# Altium PCB HTBLEBMSALL24S100A_PCB_V0.2_260323.pcbdoc (part 3 of 7) (continued)
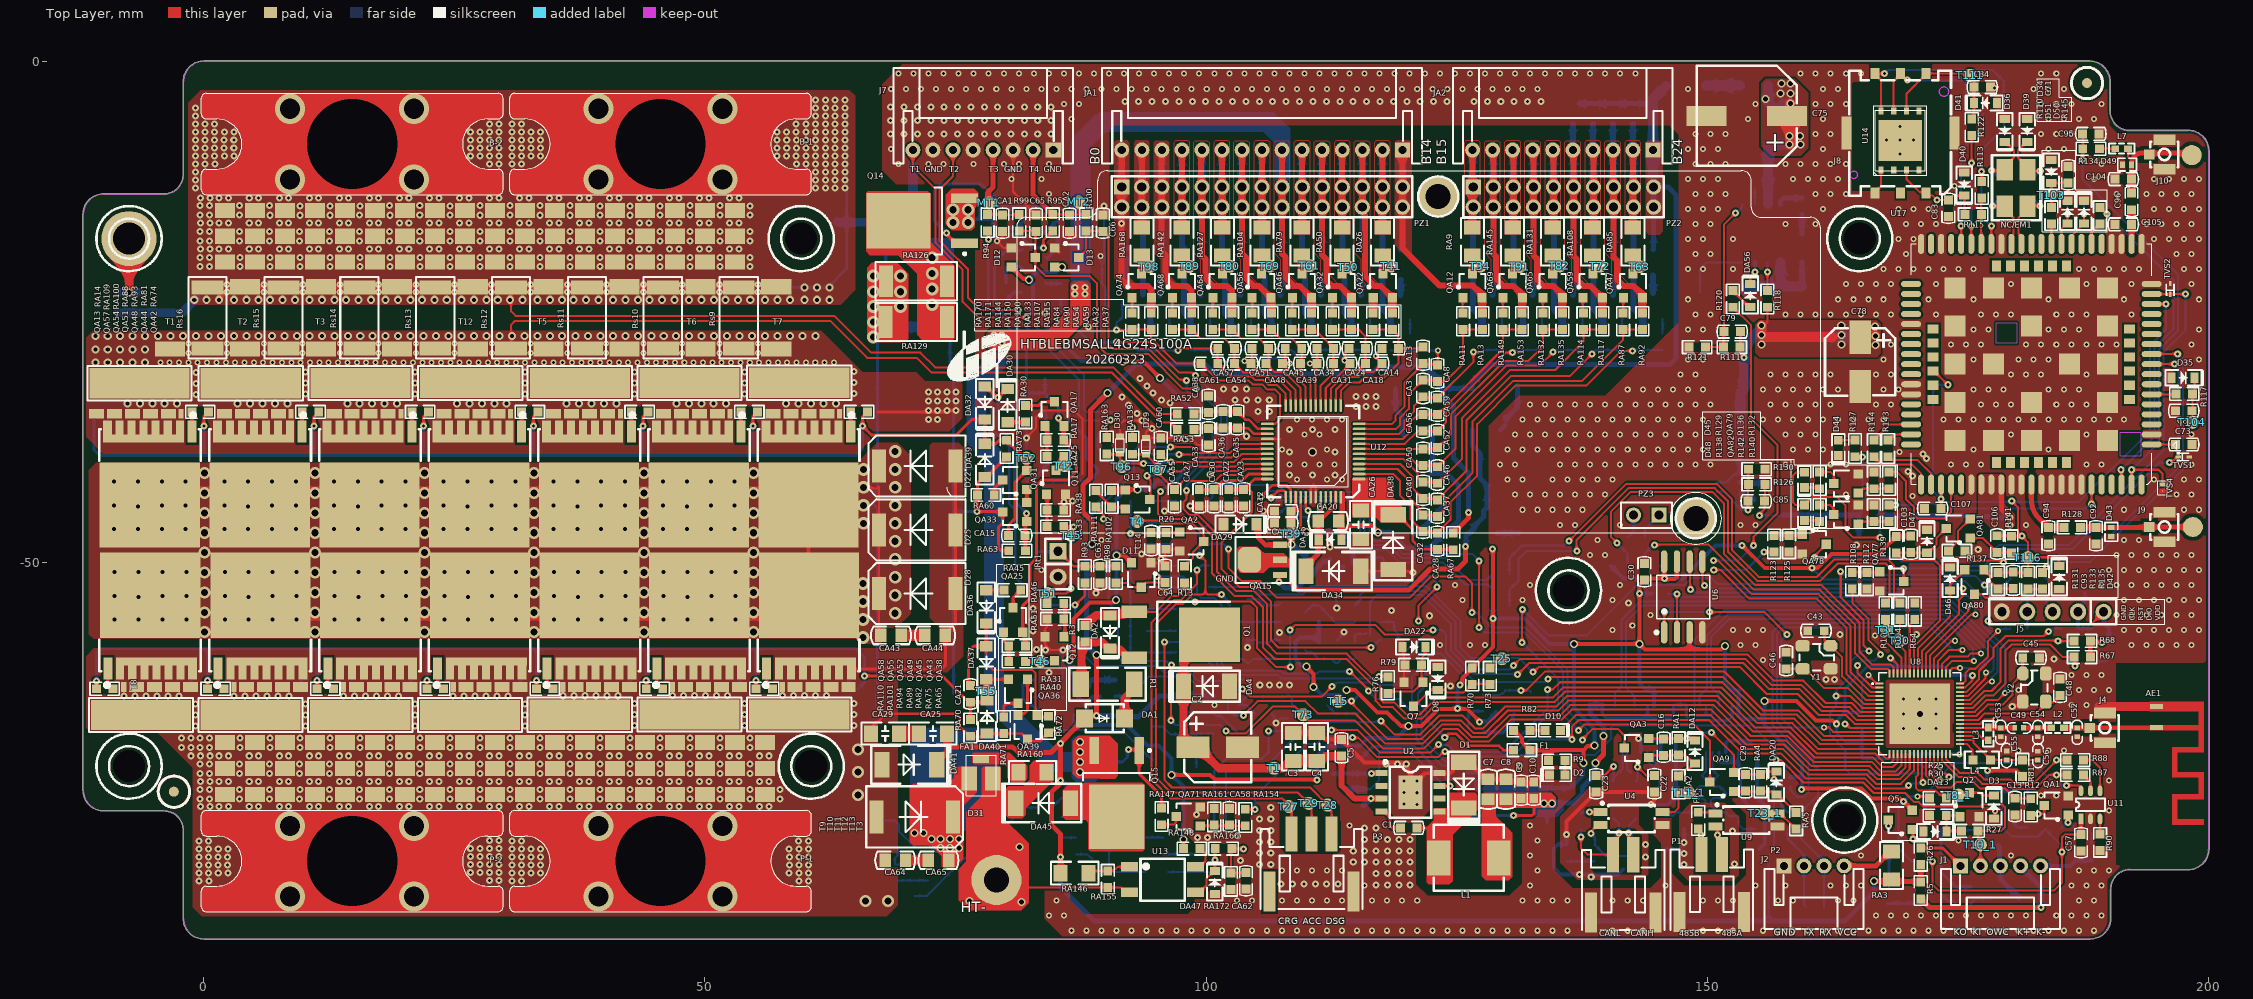
[diagram p0: Top Layer view]
## Nets (pads, with @x,y where several pads share a name; then routed paths per layer and width w, separated by ;. In a path a pad name is that pad's centre, name@x,y a point inside that pad or via, vN(x,y) a via of type N, cw(c..) or ccw(c..) an arc to the next point about the centre after c; other vN are vias at no path point) (continued)
  other v3: -0.951,-23.77 0.29,-23.77 1.531,-23.77 2.997,-23.77 4.238,-23.77 5.479,-23.77 6.619,-23.77 7.859,-23.77 9.1,-23.77 10.567,-23.77 11.808,-23.77 13.049,-23.77 14.188,-23.77 15.429,-23.77 16.67,-23.77 18.137,-23.77 19.377,-23.77 20.618,-23.77 21.758,-23.77 22.998,-23.77 24.239,-23.77 25.706,-23.77 26.947,-23.77 28.188,-23.77 29.327,-23.77 30.568,-23.77 31.809,-23.77 33.276,-23.77 34.516,-23.77 35.757,-23.77 36.897,-23.77 38.138,-23.77 39.378,-23.77 40.845,-23.77 42.086,-23.77 43.327,-23.77 44.466,-23.77 45.707,-23.77 46.948,-23.77 48.415,-23.77 49.656,-23.77 50.896,-23.77 52.036,-23.77 53.277,-23.77 54.517,-23.77 55.984,-23.77 57.225,-23.77 58.466,-23.77 59.933,-23.77 61.174,-23.77 62.414,-23.77 59.933,-22.529 61.174,-22.529 62.414,-22.529
  other v7: 8.611,-11.755 20.981,-11.755 39.359,-11.755 51.729,-11.755 8.611,-4.715 20.981,-4.715 39.359,-4.715 51.729,-4.715
BOOT: R64.1 U8.59 | length 5.6
  Top Layer w0.2: U8.59@170.194,-61.077 170.194,-56.183 R64.1@170.696,-55.682
C0: CA61.1 CA63.2 DA53.2 RA170.2 RA171.2 U12.25 | length 26.6
  Top Layer w0.2: v1(91.05,-26.799) 92.559,-26.799 RA170.2@92.619,-26.739 RA171.2@94.521,-26.739 94.521,-27.6 97.062,-30.141 CA61.1@99.506,-30.141 101.195,-31.83 104.248,-31.83 104.636,-32.217 105.575,-32.217 106.1,-32.742 106.892,-32.742 107.36,-33.209 107.36,-35.688 106.904,-36.143 U12.25@106.12,-36.143
  Bottom Layer w0.2: v1(91.05,-26.799) 91.05,-26.089 91.482,-25.657 91.504,-25.657 91.63,-25.531 CA63.2@91.631,-23.829
C1: CA57.1 CA61.2 DA51.2 RA158.2 RA164.2 U12.24 | length 20.9
  Top Layer w0.2: v1(97.18,-28.839) 97.316,-28.839 97.538,-28.617 CA57.1@101.157,-28.617 CA61.2@101.157,-30.141 102.442,-31.426 104.528,-31.426 104.888,-31.786 105.721,-31.786 106.229,-32.294 107.078,-32.294 107.932,-33.149 U12.24@107.932,-34.332
  Bottom Layer w0.2: DA51.2@92.672,-26.929 92.672,-28.341 93.17,-28.839 94.454,-28.839 96.354,-28.839 v1(97.18,-28.839)
C2: CA54.1 CA57.2 RA144.2 RA150.2 U12.23 | length 16.6
  Top Layer w0.2: RA144.2@96.652,-26.739 RA150.2@98.562,-26.739 99.482,-27.659 101.851,-27.659 CA57.2@102.808,-28.617 CA54.1@102.808,-30.141 103.684,-31.017 104.708,-31.017 105.069,-31.378 105.912,-31.378 106.389,-31.855 107.357,-31.855 108.432,-32.93 U12.23@108.432,-34.332
C3: CA51.1 CA54.2 RA136.2 RA140.2 U12.22 | length 15.3
  Top Layer w0.2: v2(103.85,-29.87) 104.188,-29.87 CA54.2@104.459,-30.141 ; CA51.1@104.586,-28.617 104.586,-30.014 CA54.2@104.459,-30.141 ; U12.22@108.932,-34.332 108.932,-32.81 107.535,-31.413 106.57,-31.413 106.123,-30.966 105.284,-30.966 CA54.2@104.459,-30.141
  Bottom Layer w0.2: RA140.2@98.407,-28.772 RA136.2@100.291,-28.772 101.39,-29.87 v2(103.85,-29.87)
C4: CA48.1 CA51.2 RA130.2 RA133.2 U12.21 | length 14.2
  Top Layer w0.2: RA130.2@100.655,-26.739 RA133.2@102.586,-26.739 103.506,-27.659 105.28,-27.659 CA51.2@106.237,-28.617 106.237,-29.887 CA48.1@105.983,-30.141 106.808,-30.966 107.809,-30.966 109.432,-32.589 U12.21@109.432,-34.332
C5: CA45.1 CA48.2 RA119.2 RA124.2 U12.20 | length 14
  Top Layer w0.2: CA45.1@107.888,-28.617 107.888,-29.887 CA48.2@107.634,-30.141 ; v2(108.36,-30.119) 107.655,-30.119 CA48.2@107.634,-30.141 ; U12.20@109.932,-34.332 109.932,-32.439 CA48.2@107.634,-30.141
  Bottom Layer w0.2: RA124.2@102.473,-28.772 104.413,-28.772 105.274,-29.633 107.874,-29.633 v2(108.36,-30.119)
C6: CA39.1 CA45.2 RA107.2 RA115.2 U12.19 | length 11.9
  Top Layer w0.2: RA107.2@104.592,-26.739 RA115.2@106.505,-26.739 107.425,-27.659 108.582,-27.659 CA45.2@109.539,-28.617 109.539,-30.014 CA39.1@109.412,-30.141 109.412,-31.085 110.432,-32.105 U12.19@110.432,-34.332
C7: CA34.1 CA39.2 RA95.2 RA99.2 U12.18 | length 10.1
  Top Layer w0.2: U12.18@110.932,-34.332 110.932,-30.272 CA39.2@111.063,-30.141 CA34.1@111.063,-28.617
  Bottom Layer w0.2: RA99.2@106.552,-28.772 108.483,-28.772 109.84,-30.129 v2(110.37,-30.129)
C8: CA31.1 CA34.2 RA84.2 RA90.2 U12.17 | length 11.1
  Top Layer w0.2: RA84.2@108.59,-26.739 110.837,-26.739 CA34.2@112.714,-28.617 CA31.1@112.714,-30.141 112.714,-31.042 111.432,-32.324 U12.17@111.432,-33.838
  Top Layer w0.254: U12.17@111.432,-34.332 U12.17@111.432,-33.838
C9: CA24.1 CA31.2 RA68.2 RA78.2 U12.16 | length 10.9
  Top Layer w0.2: U12.16@111.932,-34.332 111.932,-32.574 CA31.2@114.365,-30.141 113.81,-29.586 113.81,-29.044 CA24.1@114.238,-28.617
  Bottom Layer w0.2: RA78.2@110.505,-28.772 RA68.2@112.43,-28.772 112.774,-29.116 113.117,-29.116 v9(113.81,-29.809)
C10: CA18.1 CA24.2 RA54.2 RA59.2 U12.15 | length 12.5
  Top Layer w0.2: U12.15@112.432,-34.332 112.432,-32.65 114.04,-31.042 114.987,-31.042 CA18.1@115.889,-30.141 115.889,-27.408 115.22,-26.739 RA59.2@114.509,-26.739 RA54.2@112.609,-26.739
C11: CA14.1 CA18.2 RA44.2 RA47.2 U12.14 | length 12.5
  Top Layer w0.2: U12.14@112.932,-34.332 112.932,-32.775 114.241,-31.466 115.226,-31.466 115.704,-30.989 116.692,-30.989 CA18.2@117.568,-30.113 ; CA14.1@117.223,-28.272 CA14.1@117.568,-28.617 ; CA18.2@117.54,-30.141 117.036,-29.637 117.036,-29.475 v2(116.94,-29.379) 117.036,-29.284 117.036,-29.12 CA14.1@117.54,-28.617
  Bottom Layer w0.2: RA47.2@114.485,-28.772 RA44.2@116.367,-28.772 116.94,-29.345 v2(116.94,-29.379)
C12: CA13.1 CA14.2 RA32.2 RA37.2 U12.13 | length 16.4
  Top Layer w0.2: U12.13@113.432,-34.332 113.432,-32.859 114.268,-32.023 115.297,-32.023 115.795,-31.525 117.774,-31.525 119.191,-30.108 CA14.2@119.191,-28.617 ; RA32.2@116.66,-26.739 RA37.2@118.573,-26.739 118.917,-27.084 118.917,-27.086 119.191,-27.36 CA14.2@119.191,-28.617 ; CA13.1@121.629,-28.49 121.502,-28.617 CA14.2@119.191,-28.617
C13: CA8.1 CA13.2 RA19.2 RA22.2 U12.12 | length 18
  Top Layer w0.2: U12.12@115.254,-36.154 118.545,-36.154 118.866,-35.833 118.866,-35.342 119.811,-34.398 119.811,-32.018 121.285,-30.543 121.285,-30.485 121.571,-30.199 122.943,-30.199 123.11,-30.031 v2(123.11,-28.849)
  Bottom Layer w0.2: RA22.2@118.411,-28.772 118.448,-28.809 120.343,-28.809 120.383,-28.849 v2(123.11,-28.849)
C14: CA3.1 CA8.2 RA11.2 RA13.2 U12.11 | length 19.6
  Top Layer w0.2: U12.11@115.254,-36.654 118.949,-36.654 119.346,-36.257 119.346,-35.536 120.232,-34.649 120.232,-33.189 CA3.1@121.629,-31.792 122.747,-31.792 CA8.2@122.874,-31.919 ; CA8.2@123.077,-31.919 123.881,-31.919 125.638,-30.162 RA11.2@125.638,-26.739 ; RA11.2@125.638,-26.725 RA13.2@127.55,-26.725
C15: CA3.2 CA59.1 RA7.2 RA162.2 U12.10 | length 19.1
  Top Layer w0.2: U12.10@115.254,-37.154 119.26,-37.154 119.768,-36.645 119.768,-35.858 120.74,-34.885 120.74,-34.332 CA3.2@121.629,-33.443 ; CA3.2@121.629,-33.57 CA59.1@123.077,-33.57 126.664,-29.983 v1(126.664,-28.992)
  Bottom Layer w0.2: v1(126.664,-28.992) 127.411,-28.992 RA7.2@127.631,-28.772 RA162.2@129.496,-28.772
C16: CA56.1 CA59.2 RA149.2 RA153.2 U12.9 | length 22.5
  Top Layer w0.2: U12.9@115.254,-37.654 119.638,-37.654 120.225,-37.067 120.225,-36.092 121.096,-35.221 CA56.1@121.629,-35.221 CA59.2@122.874,-35.221 ; CA59.2@122.874,-35.127 CA59.2@123.077,-35.127 ; CA59.2@123.077,-35.221 129.613,-28.685 RA149.2@129.613,-26.739 129.613,-26.725 RA153.2@131.515,-26.725
C17: CA52.1 CA56.2 RA138.2 RA143.2 U12.8 | length 22.8
  Top Layer w0.2: U12.8@115.254,-38.154 119.814,-38.154 121.096,-36.872 CA52.1@123.077,-36.872 123.94,-36.009 123.94,-34.98 129.875,-29.045 v1(130.558,-29.045)
  Bottom Layer w0.2: v1(130.558,-29.045) 130.633,-29.045 130.906,-28.772 RA143.2@131.609,-28.772 RA138.2@133.524,-28.772
C18: CA50.1 CA52.2 RA132.2 RA135.2 U12.7 | length 27.1
  Top Layer w0.2: U12.7@115.254,-38.654 121.092,-38.654 121.096,-38.65 CA52.2@122.874,-38.65 ; CA52.2@123.077,-38.523 124.45,-37.149 124.45,-35.159 129.73,-29.879 132.121,-29.879 133.611,-28.389 RA132.2@133.611,-26.739 ; RA132.2@133.611,-26.725 RA135.2@135.536,-26.725
C19: CA46.1 CA50.2 RA123.2 RA128.2 U12.6 | length 29.2
  Top Layer w0.2: U12.6@115.254,-39.154 119.949,-39.154 121.096,-40.301 CA46.1@122.874,-40.301 ; CA46.1@123.077,-40.428 124.87,-38.634 124.87,-35.429 129.98,-30.319 133.294,-30.319 v1(134.622,-28.992)
  Bottom Layer w0.2: v1(134.622,-28.992) 134.757,-28.992 134.977,-28.772 RA128.2@135.589,-28.772 RA123.2@137.487,-28.772
C20: CA40.1 CA46.2 RA114.2 RA117.2 U12.5 | length 34.7
  Top Layer w0.2: U12.5@115.254,-39.654 119.662,-39.654 121.096,-41.088 121.096,-41.49 121.213,-41.607 121.285,-41.607 CA40.1@121.629,-41.952 CA46.2@122.874,-41.952 ; CA46.2@123.077,-42.079 125.533,-39.622 125.533,-35.556 130.29,-30.799 134.8,-30.799 137.631,-27.968 RA114.2@137.631,-26.739 ; RA114.2@137.631,-26.725 RA117.2@139.536,-26.725
C21: CA37.1 CA40.2 RA98.2 RA105.2 U12.4 | length 37.3
  Top Layer w0.2: U12.4@115.254,-40.154 119.344,-40.154 120.572,-41.382 120.572,-42.545 121.285,-43.258 CA40.2@121.629,-43.603 CA37.1@122.874,-43.603 ; CA37.1@123.077,-43.73 125.972,-40.835 125.972,-35.808 130.42,-31.359 136.31,-31.359 v1(138.498,-29.172)
  Bottom Layer w0.2: v1(138.498,-29.172) 138.898,-28.772 RA105.2@139.585,-28.772 RA98.2@141.477,-28.772
C22: CA32.1 CA37.2 RA87.2 RA92.2 U12.3 | length 43.1
  Top Layer w0.2: U12.3@115.254,-40.654 119.092,-40.654 120.092,-41.653 120.092,-43.39 121.285,-44.583 121.285,-44.909 CA32.1@121.629,-45.254 122.874,-45.254 CA37.2@122.937,-45.317 ; CA37.2@123.077,-45.381 123.914,-44.543 123.914,-43.721 126.56,-41.075 126.56,-35.939 130.63,-31.869 137.518,-31.869 141.606,-27.781 RA87.2@141.606,-26.739 ; RA87.2@141.606,-26.725 RA92.2@143.517,-26.725
C23: CA28.1 CA32.2 RA77.2 RA80.2 U12.2 | length 45.7
  Top Layer w0.2: U12.2@115.254,-41.154 118.665,-41.154 119.315,-41.804 119.315,-43.262 120.41,-44.356 120.41,-45.685 121.285,-46.56 CA32.2@121.629,-46.905 CA28.1@122.874,-46.905 ; CA28.1@123.077,-47.032 124.372,-45.737 124.372,-43.992 127.04,-41.323 127.04,-36.169 130.89,-32.319 137.96,-32.319 141.416,-28.864 v1(142.555,-28.864)
  Bottom Layer w0.2: v1(142.555,-28.864) 142.647,-28.772 RA80.2@143.552,-28.772 RA77.2@145.536,-28.772
C24: CA26.2 CA28.2 DA38.2 RA67.2 U12.1 | length 15
  Top Layer w0.2: RA67.2@124.627,-48.683 RA67.2@124.652,-48.708
  Top Layer w0.25: CA26.2@115.226,-45.228 DA38.2@118.658,-45.228 119.166,-45.228 120.607,-46.67 120.607,-47.807 121.483,-48.683 CA28.2@123.077,-48.683 RA67.2@124.627,-48.683 ; U12.1@115.254,-41.654 115.254,-43.476 115.432,-43.653 CA26.2@115.432,-45
CAN_WK: DA9.1 QA3.3 T7_1.1 | length 59.7
  Top Layer w0.2: v1(102.224,-48.632) 102.224,-50.511 103.545,-51.832 105.399,-51.832 107.05,-53.483 120.332,-53.483 122.414,-51.401 125.883,-51.401 126.51,-52.029 v1(126.51,-54.989) ; v1(137.54,-67.669) 137.54,-67.614 138.575,-66.58 141.051,-66.58 141.734,-67.263 QA3.3@141.734,-68.502
  Bottom Layer w0.2: DA9.1@100.293,-48.116 100.301,-48.124 101.716,-48.124 v1(102.224,-48.632) ; v1(126.51,-54.989) 126.535,-55.014 127.005,-55.014 128.471,-56.48 131.86,-56.48 136.03,-60.65 136.03,-64.709 138,-66.679 138,-67.209 v1(137.54,-67.669)
CANH: EM1.1 ESD1.1 P1.1 R28.1 R29.2 T6_1.1 | length 11.7
  Top Layer w0.2: v1(137.39,-77.392) 137.39,-78.467 138.058,-79.136 P1.1@140.61,-79.136 140.61,-77.986 141.11,-77.486 141.11,-77.03 v1(141.19,-76.95)
  Bottom Layer w0.2: R28.1@137.39,-78.15 v1(137.39,-77.392) R29.2@137.39,-76.633 ; ESD1.1@140.637,-78.177 140.637,-77.503 v1(141.19,-76.95) 141.19,-76.029 EM1.1@140.64,-75.479
CANHo: C23.2 EM1.4 U3.15 | length 7
  Top Layer w0.2: C23.2@138.9,-71.229 139.74,-71.229 v1(140.63,-70.339)
  Bottom Layer w0.2: EM1.4@140.549,-71.828 140.549,-71.553 141.249,-70.853 141.252,-70.853 141.512,-70.593 141.512,-68.978 U3.15@141.43,-68.896 ; v1(140.63,-70.339) 140.63,-71.819 EM1.4@140.64,-71.829
CANL: EM1.3 ESD1.2 P1.2 R31.2 T9_1.1 U4.2 | length 13.4
  Top Layer w0.2: v1(138.41,-77.04) 138.506,-76.944 138.506,-76.693 139.041,-76.158 U4.2@139.341,-76.158 ; v1(142.15,-76.95) 142.15,-78.676 P1.2@142.61,-79.136
  Bottom Layer w0.2: v1(138.41,-77.04) 138.78,-77.41 138.78,-78.13 R31.2@138.76,-78.15 139.89,-79.28 142.23,-79.28 142.542,-78.968 ESD1.2@142.542,-78.177 142.542,-77.342 v1(142.15,-76.95) 142.19,-76.91 142.19,-76.179 EM1.3@142.89,-75.479
CANLo: C22.2 EM1.2 U3.14 | length 5.8
  Top Layer w0.2: v1(143.05,-70.369) 143.905,-71.224 C22.2@144.691,-71.224
  Bottom Layer w0.2: U3.14@142.08,-68.896 141.998,-68.978 141.998,-70.577 EM1.2@142.39,-70.969 ; EM1.2@142.89,-71.829 143.05,-71.669 v1(143.05,-70.369)
CD+_LS: CA42.2 CA43.1 D20.2 D21.2 D22.2 D23.2 D24.2 D25.2 D26.2 D27.2 D28.2 QA13.9 QA14.9 QA18.9 QA19.9 QA20.9 QA21.9 QA23.9 QA24.9 QA27.9 QA28.9 QA29.9 QA30.9 QA34.9 QA35.9 QA37.9 QA38.9 QA42.9 QA43.9 QA44.9 QA45.9 QA48.9 QA49.9 QA51.9 QA52.9 QA54.9 QA55.9 QA57.9 QA58.9 RA121.1 RA122.1 RA126.1 RA129.1 | length 364.8
  Top Layer w0.2: QA42.9@60.318,-42.582 67.15,-42.582 67.35,-42.383 D25.2@67.35,-46.722 D28.2@67.35,-53.084 67.35,-57.046 CA43.1@67.553,-57.25
  Top Layer w0.3: QA13.9@-5.396,-42.582 5.594,-42.582 32.962,-42.582 49.374,-42.582 60.318,-42.582 QA42.9@60.318,-44.235 60.318,-55.546 60.379,-55.607 54.852,-55.607 49.434,-55.607 42.08,-55.607 34.94,-55.607 32.962,-55.607 28.755,-55.607 26.375,-55.607 22.071,-55.607 22.017,-55.607 17.81,-55.607 9.245,-55.607 5.654,-55.607 4.326,-56.935 v5(0.083,-56.935) -4.008,-56.935 QA58.9@-5.336,-55.607 ; RA129.1@67.588,-26.257 68.137,-25.708 68.137,-21.098 RA126.1@67.654,-20.616
  Bottom Layer w0.3: QA18.9@-5.396,-42.582 0.083,-42.582 5.594,-42.582 11.072,-42.582 16.539,-42.582 22.017,-42.582 27.484,-42.582 32.962,-42.582 38.429,-42.582 43.907,-42.582 49.374,-42.582 54.852,-42.582 60.319,-42.582 65.811,-42.582 66.649,-42.582 D27.2@67.197,-43.131 ; QA14.9@-5.336,-55.607 -4.008,-56.935 v5(0.083,-56.935) 4.326,-56.935 5.654,-55.607 6.865,-55.607 9.245,-55.607 13.05,-55.607 15.43,-55.607 17.81,-55.607 20.19,-55.607 22.017,-55.607 22.071,-55.607 23.995,-55.607 26.375,-55.607 28.755,-55.607 31.135,-55.607 32.962,-55.607 34.94,-55.607 37.32,-55.607 39.7,-55.607 42.08,-55.607 45.885,-55.607 48.265,-55.607 49.434,-55.607 50.645,-55.607 53.025,-55.607 54.852,-55.607 60.379,-55.607 65.771,-55.607 66.649,-55.607 D23.2@67.197,-56.155 ; D27.2@66.649,-44.004 66.753,-44.108 67.197,-44.553 D20.2@67.197,-50.12 D23.2@67.197,-56.155 ; D21.2@67.109,-64.385 67.109,-63.122 D21.2@67.197,-63.034 D23.2@67.197,-57.466 ; D23.2@67.197,-56.577 D23.2@67.197,-56.155 ; D27.2@67.197,-43.664 D27.2@67.197,-43.131 ; CA42.2@67.855,-26.257 CA42.2@67.883,-26.229 ; RA122.1@68.035,-19.355 68.035,-23.463 68.035,-26.077 CA42.2@67.883,-26.229 ; D27.2@67.197,-43.131 D24.2@67.197,-37.207 D26.2@67.197,-30.75 67.197,-28.06 67.883,-27.374 CA42.2@67.883,-26.229
  other v3: -8.884,-55.687 -6.504,-55.687 -4.124,-55.687 -1.744,-55.687 2.105,-55.687 4.485,-55.687 6.865,-55.687 9.245,-55.687 13.05,-55.687 15.43,-55.687 17.81,-55.687 20.19,-55.687 23.995,-55.687 26.375,-55.687 28.755,-55.687 31.135,-55.687 34.94,-55.687 37.32,-55.687 39.7,-55.687 42.08,-55.687 45.885,-55.687 48.265,-55.687 50.645,-55.687 53.025,-55.687 -6.504,-53.439 4.485,-53.439 15.43,-53.439 26.375,-53.439 37.32,-53.439 48.265,-53.439 -8.884,-53.307 -4.124,-53.307 -1.744,-53.307 2.105,-53.307 6.865,-53.307 9.245,-53.307 13.05,-53.307 17.81,-53.307 20.19,-53.307 23.995,-53.307 28.755,-53.307 31.135,-53.307 34.94,-53.307 39.7,-53.307 42.08,-53.307 45.885,-53.307 50.645,-53.307 53.025,-53.307 -8.884,-50.927 -6.504,-50.927 -4.124,-50.927 -1.744,-50.927 2.105,-50.927 4.485,-50.927 6.865,-50.927 9.245,-50.927 13.05,-50.927 15.43,-50.927 17.81,-50.927 20.19,-50.927 23.995,-50.927 26.375,-50.927 28.755,-50.927 31.135,-50.927 34.94,-50.927 37.32,-50.927 39.7,-50.927 42.08,-50.927 45.885,-50.927 48.265,-50.927 50.645,-50.927 53.025,-50.927 -8.944,-46.663 -6.564,-46.663 -4.184,-46.663 -1.804,-46.663 2.045,-46.663 4.425,-46.663 6.805,-46.663 9.185,-46.663 12.99,-46.663 15.37,-46.663 17.75,-46.663 20.13,-46.663 23.935,-46.663 26.315,-46.663 28.695,-46.663 31.075,-46.663 34.88,-46.663 37.26,-46.663 39.64,-46.663 42.02,-46.663 45.825,-46.663 48.205,-46.663 50.585,-46.663 52.965,-46.663 -6.564,-44.415 4.425,-44.415 15.37,-44.415 26.315,-44.415 37.26,-44.415 48.205,-44.415 -8.944,-44.283 -4.184,-44.283 -1.804,-44.283 2.045,-44.283 6.805,-44.283 9.185,-44.283 12.99,-44.283 17.75,-44.283 20.13,-44.283 23.935,-44.283 28.695,-44.283 31.075,-44.283 34.88,-44.283 39.64,-44.283 42.02,-44.283 45.825,-44.283 50.585,-44.283 52.965,-44.283 -8.944,-41.903 -6.564,-41.903 -4.184,-41.903 -1.804,-41.903 2.045,-41.903 4.425,-41.903 6.805,-41.903 9.185,-41.903 12.99,-41.903 15.37,-41.903 17.75,-41.903 20.13,-41.903 23.935,-41.903 26.315,-41.903 28.695,-41.903 31.075,-41.903 34.88,-41.903 37.26,-41.903 39.64,-41.903 42.02,-41.903 45.825,-41.903 48.205,-41.903 50.585,-41.903 52.965,-41.903
  other v5: 11.072,-56.935 22.017,-56.935 32.962,-56.935 43.907,-56.935 54.852,-56.935 0.083,-54.951 11.072,-54.951 22.017,-54.951 32.962,-54.951 43.907,-54.951 54.852,-54.951 0.083,-52.967 11.072,-52.967 22.017,-52.967 32.962,-52.967 43.907,-52.967 54.852,-52.967 0.083,-50.982 11.072,-50.982 22.017,-50.982 32.962,-50.982 43.907,-50.982 54.852,-50.982 0.083,-48.998 11.072,-48.998 22.017,-48.998 32.962,-48.998 43.907,-48.998 54.852,-48.998 0.083,-47.014 11.072,-47.014 22.017,-47.014 32.962,-47.014 43.907,-47.014 54.852,-47.014 0.083,-45.03 11.072,-45.03 22.017,-45.03 32.962,-45.03 43.907,-45.03 54.852,-45.03 0.083,-43.046 11.072,-43.046 22.017,-43.046 32.962,-43.046 43.907,-43.046 54.852,-43.046 0.083,-41.062 11.072,-41.062 22.017,-41.062 32.962,-41.062 43.907,-41.062 54.852,-41.062
  other v6: 65.771,-57.466 65.771,-55.673 68.975,-55.041 65.771,-53.879 68.975,-53.248 65.771,-52.086 68.975,-51.455 68.975,-49.661 68.975,-47.868 65.811,-46.075 68.975,-46.075 65.811,-44.282 68.975,-44.282 65.811,-42.488 68.975,-42.488 65.811,-40.695 68.975,-40.695 68.975,-38.902 66.801,-27.476 66.801,-26.003 66.801,-24.44 69.496,-24.44 66.801,-22.967 69.496,-22.967 66.801,-21.405 69.496,-21.405
Charger_DET: R41.1 T15.1@113.187,-63.826 U8.20 | length 66.4
  Top Layer w0.2: T15.1@112.987,-64.334 113.285,-64.036 113.397,-64.036 T15.1@113.285,-63.924 ; T15.1@113.187,-63.826 113.201,-63.812 114.503,-63.812 v1(114.517,-63.798) 114.613,-63.894 114.613,-64.114 118.076,-67.577 121.53,-67.577 123.385,-65.723 125.391,-65.723 126.651,-66.983 127.847,-66.983 130.065,-64.765 135.126,-64.765 136.122,-63.769 150.824,-63.769 154.355,-67.3 158.01,-67.3 160.59,-69.88 166.391,-69.88 167.321,-70.81 168.78,-70.81 169.394,-70.196 U8.20@169.394,-69.077
  Bottom Layer w0.2: v1(114.517,-63.798) 114.632,-63.798 R41.1@115.152,-63.277
CHG_WKUP: DA5.1 QA4.3 R43.2 T13.1@99.914,-60.22 | length 10.6
  Bottom Layer w0.2: DA5.1@100.293,-58.93 100.293,-59.986 101.975,-61.667 104.101,-61.667 104.324,-61.89 104.324,-63.085 103.295,-64.114 QA4.3@103.295,-64.221 ; QA4.3@103.164,-64.221 103.189,-64.221 QA4.3@103.242,-64.168 ; QA4.3@103.27,-64.221 104.021,-64.221 R43.2@104.84,-65.04
COM_RXD: Q3.3 R48.2 T17_1.1 U8.28 | length 6.6
  Top Layer w0.2: U8.28@172.594,-69.077 172.594,-70.754 172.849,-71.009 173.739,-71.009 v1(174.13,-71.4)
  Bottom Layer w0.2: v1(174.13,-71.4) 174.265,-71.4 174.377,-71.288 174.703,-71.288 175.031,-70.96 175.91,-70.96 176.739,-71.789 Q3.3@176.764,-71.789
COM_TXD: R54.1 T19_1.1 U8.27 | length 7.2
  Top Layer w0.2: U8.27@172.194,-69.077 172.194,-71.034 172.76,-71.6 173.14,-71.6 v1(173.21,-71.67)
  Bottom Layer w0.2: R54.1@171.584,-74.941 171.678,-74.847 171.678,-73.162 173.17,-71.67 v1(173.21,-71.67)
CRG: DA8.1 P3.1 R75.1 T27.1@108.25,-74.329 | length 51.8
  Top Layer w0.2: v1(99.074,-50.715) 99.074,-52.112 98.693,-52.493 97.455,-53.731 96.769,-53.731 94.553,-55.947 94.553,-71.634 96.471,-73.551 107.621,-73.551 108.25,-74.18 108.25,-74.478 108.52,-74.748 P3.1@108.52,-77.05
  Bottom Layer w0.2: v1@99.022,-50.767 99.531,-50.257 100.272,-50.257 DA8.1@100.293,-50.279 ; v1(99.074,-50.715) 99.074,-53.077 99.506,-53.509 100.801,-53.509 101.538,-54.245 101.538,-56.531 102.082,-57.076 102.082,-57.591 R75.1@102.427,-57.936
CTRL: R58.2 R61.1 U8.63 | length 47.6
  Top Layer w0.2: v1(141.01,-48.05) 140.38,-47.42 140.38,-44.91 142.32,-42.97 150.52,-42.97 151.641,-44.091 151.641,-49.119 154.76,-52.239 161.41,-52.239 165.18,-56.009 165.18,-58.88 166.469,-60.169 168.31,-60.169 168.594,-60.453 U8.63@168.594,-61.077
  Bottom Layer w0.2: v1(141.01,-48.05) 141.01,-48.07 R61.1@142.04,-49.1 ; R58.2@142.05,-50.32 R61.1@142.05,-49.11
CTRL2645: PZ3.2 R61.2 | length 2.8
  Top Layer w0.2: PZ3.2@142.645,-45.255 PZ3.2@142.645,-44.903
  Bottom Layer w0.2: R61.2@142.04,-47.449 142.645,-46.844 PZ3.2@142.645,-45.255
DBG_RXD3: D50.1 T117.1 U17.22 | length 4.9
  Top Layer w0.2: U17.22@186.326,-18.567 186.326,-17.42 D50.1@187.569,-16.177 v2(187.57,-15.28)
  Bottom Layer w0.2: v2(187.57,-15.28) T117.1@187.57,-14.146
DBG_TXD3: D51.1 T118.1 U17.23 | length 5
  Top Layer w0.2: U17.23@185.328,-18.566 185.325,-18.563 185.325,-16.689 185.837,-16.177 D51.1@185.938,-16.177 ; D51.1@185.938,-16.177 v2(185.939,-15.28)
  Bottom Layer w0.2: v2(185.939,-15.28) T118.1@185.938,-13.891
DCDC_EN: DA10.1 U8.11 | length 75.2
  Top Layer w0.2: v1(132.61,-60.92) 132.664,-60.92 133.167,-60.417 153.265,-60.417 155.947,-63.099 159.002,-63.099 161.102,-65.199 163.829,-65.199 164.707,-66.077 U8.11@167.194,-66.077
  Bottom Layer w0.2: DA10.1@100.293,-52.442 104.701,-52.442 105.437,-53.178 109.623,-53.178 110.456,-52.345 121.94,-52.345 125.361,-55.766 125.361,-58.428 126.461,-59.528 131.218,-59.528 v1(132.61,-60.92)
DONE: R88.2 R91.1 U8.31 | length 15.4
  Top Layer w0.2: U8.31@173.794,-69.077 173.794,-69.584 175.17,-70.96 176.951,-70.96 177.614,-71.622 180.242,-71.622 180.76,-72.141 182.424,-72.141 v1(184.856,-69.709) ; v1@185.128,-69.686 R88.2@185.879,-69.686
  Bottom Layer w0.2: v1(184.856,-69.709) 185.857,-69.709 R91.1@185.879,-69.686
E3V3: F1.1 R92.1 R93.1 R94.1 R95.1 T5.1@121.684,-62.227 | length 124.2
  Top Layer w0.2: R94.1@78.198,-16.897 78.272,-16.97 v1(78.272,-17.771) ; v1(103.644,-62.622) 104.353,-63.331 111.564,-63.331 v1(112.559,-62.335)
  Top Layer w0.254: v1(83.762,-18.591) 83.762,-17.829 R95.1@84.684,-16.907 ; v1(86.933,-54.245) 87.898,-53.28 R93.1@87.898,-52.01 ; v1(123.804,-67.427) 123.825,-67.427 124.175,-67.077 124.957,-67.077 126.161,-68.281 129.222,-68.281 129.65,-68.709 F1.1@130.669,-68.709
  Bottom Layer w0.2: v1(86.933,-54.245) 86.933,-58.301 88.948,-60.316 95.163,-60.316 95.798,-60.951 98.364,-60.951 99.231,-61.818 101.465,-61.818 102.269,-62.622 v1(103.644,-62.622) ; v1(112.559,-62.335) 112.681,-62.335 113.05,-61.966 116.943,-61.966 117.164,-62.188 118.954,-62.188 120.08,-61.062 120.08,-59.569 120.596,-59.053 122.177,-59.053 ; v1(123.804,-67.427) 121.975,-65.599 121.975,-64.798 121.144,-63.968 121.144,-63.03 121.684,-62.49 T5.1@121.684,-62.227 121.689,-62.222 121.689,-61.112 122.177,-60.624 122.177,-59.053 ; R92.1@126.153,-63.168 126.153,-61.811 123.395,-59.053 122.177,-59.053
  Bottom Layer w0.254: v1(83.762,-18.591) 82.663,-18.591 81.352,-17.281 78.762,-17.281 v1(78.272,-17.771) 78.272,-24.561 81.155,-27.444 81.155,-30.579 78.554,-33.181 78.554,-36.61 80.342,-38.398 80.342,-44.11 80.974,-44.743 80.974,-51.496 83.723,-54.245 v1(86.933,-54.245)
EKeyI1: DA11.1 J1.2 R27.1 T10_1.1 | length 104.3
  Top Layer w0.2: v1(114.299,-60.861) 114.362,-60.861 116.202,-62.701 v1(116.202,-62.818) ; v1(156.84,-69.69) 156.874,-69.724 157.364,-69.724 159.57,-71.93 165.54,-71.93 166.59,-72.98 169.751,-72.98 170.65,-73.879 171.11,-73.879 171.56,-74.329 177.2,-74.329 177.419,-74.11 179.4,-74.11 179.68,-74.39 179.68,-76.399 179.321,-76.759 R27.1@176.992,-76.759 176.992,-77.895 T10_1.1@177.246,-78.148 J1.2@177.246,-80.24
  Bottom Layer w0.2: DA11.1@100.596,-55.034 101.106,-55.544 101.106,-57.115 101.513,-57.522 101.513,-60.028 102.23,-60.746 107.384,-60.746 107.716,-61.078 111.036,-61.078 111.273,-60.841 114.279,-60.841 v1(114.299,-60.861) ; v1(116.202,-62.818) 116.986,-63.602 119.224,-63.602 120.964,-65.342 120.964,-67.641 123.572,-70.249 130.23,-70.249 131.289,-69.19 138.789,-69.19 140.41,-67.57 140.41,-66.45 140.64,-66.22 154.448,-66.22 156.84,-68.612 v1(156.84,-69.69)
EKeyO1: J1.1 R26.1 | length 4.7
  Top Layer w0.3: R26.1@171.294,-78.468 173.473,-78.468 J1.1@175.246,-80.24
EN: DA56.2 U15.7 | length 2.4
  Top Layer w0.2: DA56.2@154.289,-22.212 154.289,-21.489 v1(154.764,-21.013)
  Bottom Layer w0.2: v1@154.751,-21.001 U15.7@154.751,-20.078
  Bottom Layer w0.5: U15.7@154.739,-20.066 U15.7@154.751,-20.078 ; v1@154.751,-21.001 v1(154.764,-21.013)
ETsAi: C64.2 D11.3 R98.2 U8.15 | length 95.7
  Top Layer w0.2: R98.2@90.997,-52.023 92.153,-52.023 92.572,-52.442 D11.3@93.524,-52.442 93.524,-52.417 93.956,-51.985 C64.2@95.899,-51.985 v1@95.385,-51.471 ; v1(98.896,-53.915) 98.94,-53.872 104.475,-53.872 105.08,-54.477 105.08,-58.524 106.974,-60.417 v1(108.396,-60.417) ; v1(108.345,-56.734) 108.878,-56.202 116.858,-56.202 117.843,-57.186 121.249,-57.186 121.635,-56.8 122.559,-56.8 v1(122.636,-56.724) ; v1(134.09,-61.61) 134.225,-61.61 134.436,-61.399 151.559,-61.399 155.303,-65.143 158.893,-65.143 161.427,-67.677 U8.15@167.194,-67.677
  Bottom Layer w0.2: v1(95.112,-51.375) 97.724,-51.375 98.312,-51.963 98.312,-53.331 v1(98.896,-53.915) ; v1(108.345,-56.734) 108.345,-60.367 v1(108.396,-60.417) ; v1(122.636,-56.724) 123.53,-56.724 123.951,-57.145 123.951,-59.01 126.852,-61.911 133.723,-61.911 134.024,-61.61 v1(134.09,-61.61)
ETsH: C63.2 ET1.1 IRt1.1 R93.2 R98.1 | length 8.4
  Top Layer w0.25: IRt1.1@85.231,-48.86 85.281,-48.86 86.78,-50.359 R93.2@87.898,-50.359 C63.2@89.422,-50.359 90.984,-50.359 R98.1@90.997,-50.372
  Bottom Layer w0.25: ET1.1@83.267,-48.899 85.192,-48.899 IRt1.1@85.231,-48.86
Ext485A: P2.2 PTC2.1 T22_1.1 U9.2 | length 5.9
  Top Layer w0.2: U9.2@150.795,-76.308 151.02,-76.533 151.02,-77.481 P2.2@150.99,-77.51 ; P2.2@150.99,-79.719 P2.2@150.99,-78.66 ; P2.2@150.99,-78.66 P2.2@150.99,-77.51 ; P2.2@150.99,-78.66 P2.2@151.44,-79.11 151.44,-77.96 P2.2@150.99,-77.51
  other v1: 151.02,-77.18